# KiCad board A64-OlinuXino_Rev_G.kicad_pcb (continued)
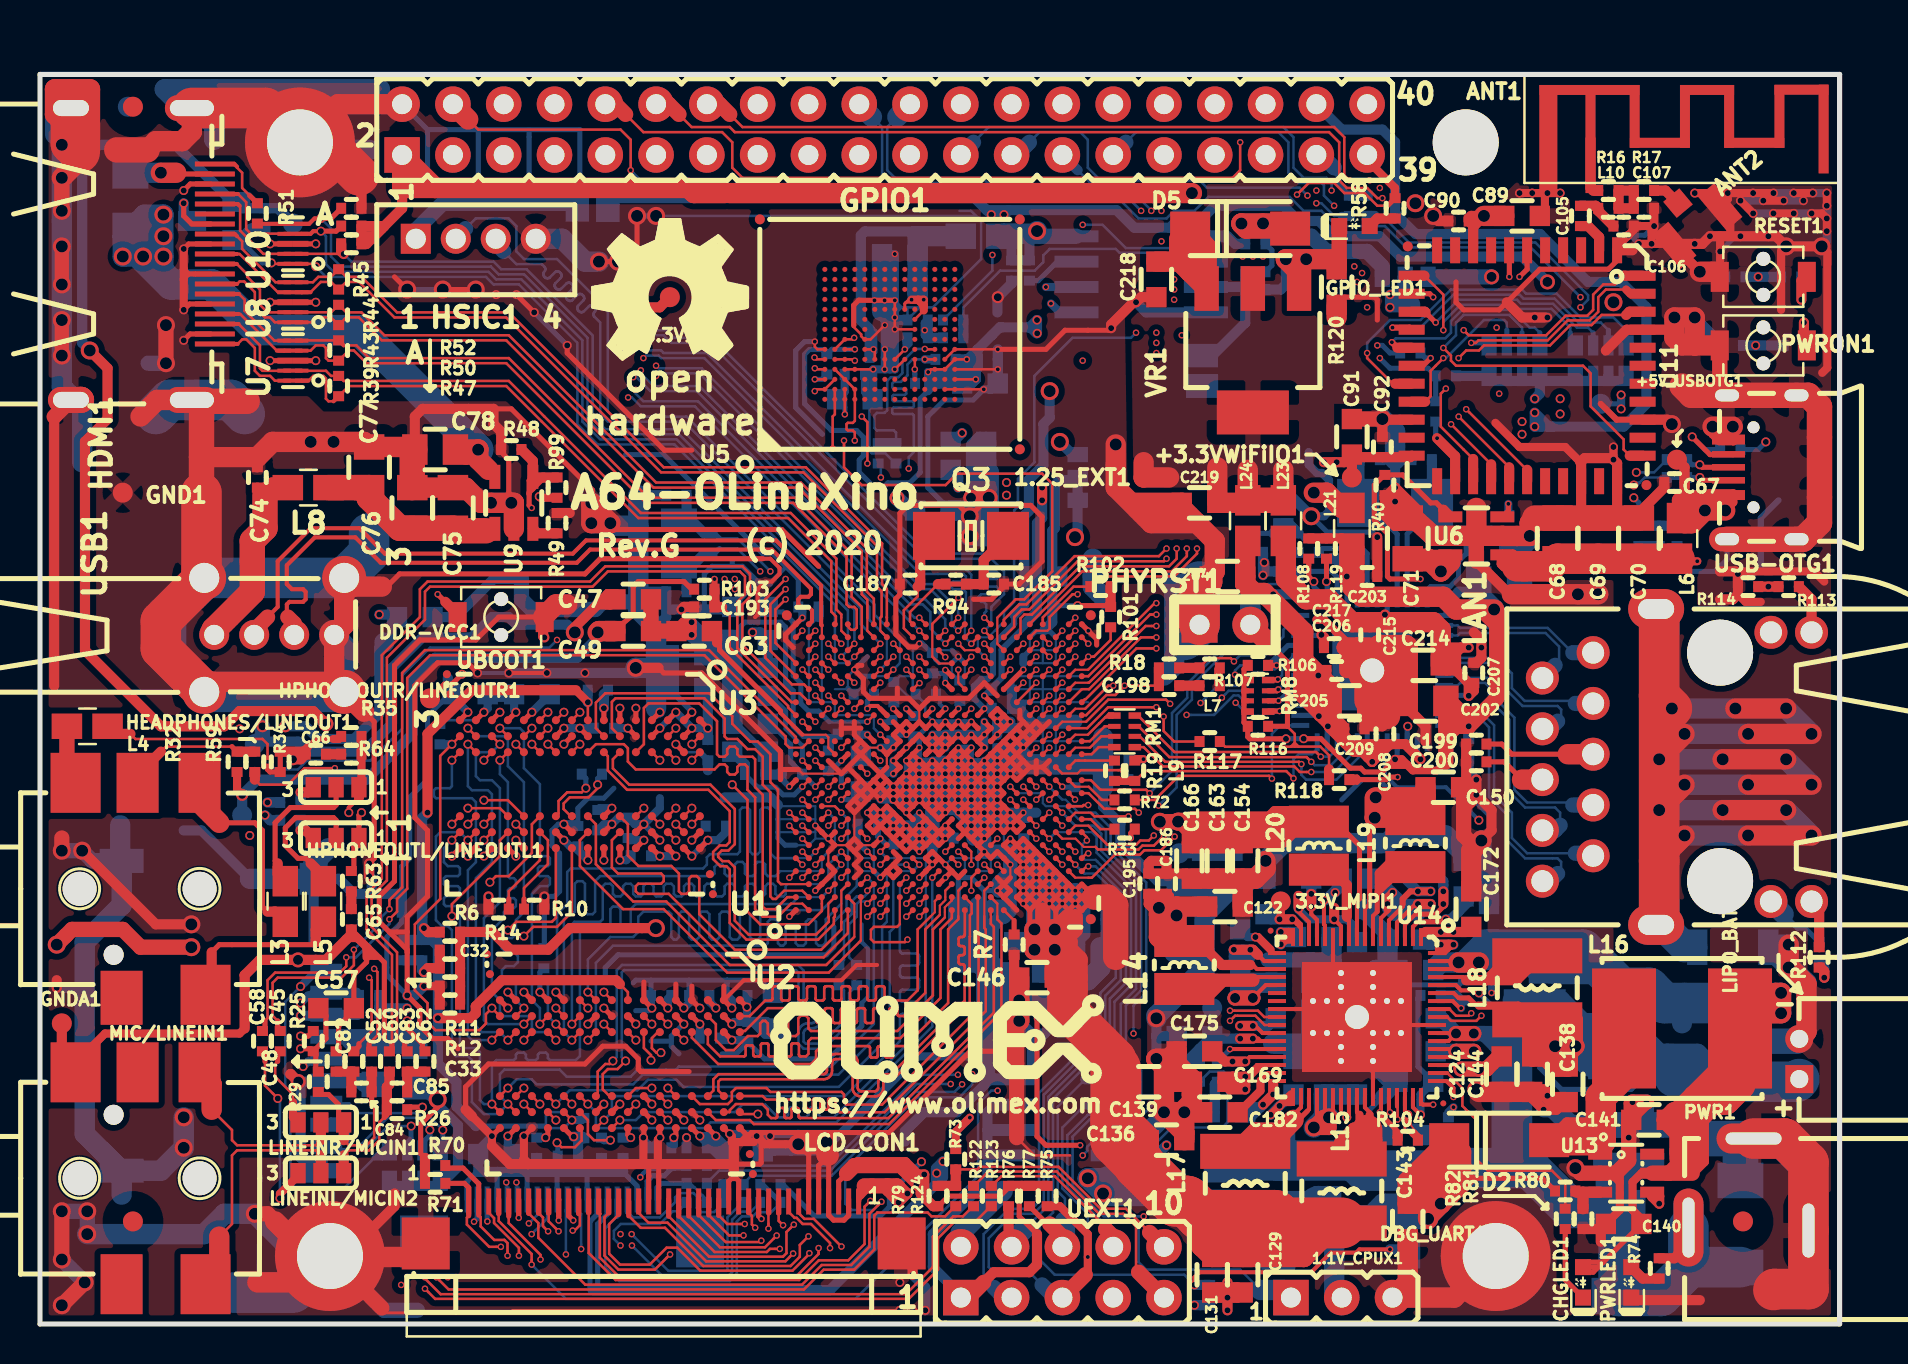
[diagram p0: board, top side]
## Routing (per net, layer and track width the routed paths; a pad name or vN(x,y) marks a point on that pad's centre or on a via; arc(x,y) is an arc through that point) (continued)
  Top w0.305: v4(45.93,28.17) U1.P12 ; U11.36 78.85,45.23 78.05,46.02 ; U1.L12 v4(43.97,28.17) ; U1.K12 v4(43.32,28.17) ; U1.P13 v4(46.57,28.83) ; U1.N13 v4(45.93,28.83) ; U1.N12 v4(45.28,28.17) ; U1.M12 v4(44.62,28.17)
  Top w0.406: 79.01,7.1 78.56,7.54 U13.2 ; 79.01,7.1 79.01,5.7 C140.1 ; 79.01,7.1 79.01,7.73 79.32,8.05 ; v2(84.66,44.88) 84.66,44.17 84.68,44.15 ; 83.99,44.15 83.64,44.5 v2(83.64,44.88) 84.15,44.37 84.46,44.37 84.68,44.15 ; 34.7,9 34.6,9.1 ; 34.6,9.1 34.6,9.4 ; 34.6,9.1 35.1,9.1 ; 87.07,50.72 87.07,53.65 v2(87.32,53.9) ; 89.23,37.13 88.72,37.64 85.04,37.64 v3(84.91,37.52) ; 86.06,36.12 85.29,36.12 84.91,36.5 R114.1 ; 63.83,35.23 64.21,35.23 65.23,34.21 C217.1 ; 89.13,47.57 89.38,47.83 89.38,53.62 v2(89.1,53.9) ; ANT1.2 75.43,56.61 v3(75.39,56.57) ; L7.2 58.93,32 v4(58.93,32.29) 58.93,32.75 R107.2 ; v3(7.19,50.72) v3(7.19,53.77) ; C107.1 80.72,55.04 ; 80.72,55.04 80.59,54.91 C106.1 79.71,54.73 v3(79.43,54.45) 78.87,53.89 U11.1 ; 80.72,55.04 v3(80.72,54.91) 80.72,54.79 80.59,54.66 v3(80.59,54.03) ; v3(75.39,56.57) v3(74.62,56.57) v3(73.99,56.57) ; v3(75.39,56.57) v3(76.02,56.57) ; v3(75.39,56.57) 75.26,56.44 75.26,55.42 ; v3(84.4,56.57) v3(82.75,56.57) ; v3(84.4,56.57) 84.4,56.25 ANT2.2 84.53,55.38 84.53,54.41 ; v3(84.4,56.57) v3(85.67,56.57) v3(86.69,56.57) ; v3(30.18,9.32) 30.18,8.01 30.19,8 30.6,8 ; 35.1,9.1 35.7,9.1 ; 35.1,9.1 35.4,9.4 ; 84.68,44.15 84.12,44.15 ; v2(37.92,8.99) 36.25,8.99 v3(35.84,9.4) ; v3(88.59,55.55) 89.1,55.55 v3(89.36,55.3) v3(89.36,54.66) ; 77.04,43.1 76.28,43.87 73.99,43.87 72.78,45.07 ; v3(86.18,56.19) v3(87.2,56.19) ; v3(87.71,56.57) v3(88.66,56.57) ; 84.08,52.38 84.02,52.43 v3(84.02,53.65) 84.02,54.41 ; 21.6,10.4 v3(22.6,9.4) 22.6,8.9 ; v3(31,9.32) 30.9,9.22 30.9,8 ; v3(85.04,56.19) v3(85.67,55.55) ; v3(86.69,55.55) v3(87.71,55.55) ; v3(79.96,54.03) 81.66,54.03 ANT2.2 ; v3(24.2,9.4) 24.2,8.2 ; v3(78.69,43.23) v3(78.69,43.87) ; R12.1 v3(19.2,16.9) ; v3(89.36,56.57) v3(89.36,55.93)
  Top w0.508: 78.05,4.75 R81.2 ; 78.05,4.75 78.05,4.11 ; 78.05,4.75 C140.1 ; 82.12,48.95 81.33,49.73 U11.41 79.35,49.73 78.31,48.69 ; v2(89.1,53.9) v2(87.32,53.9) 86.82,54.41 v3(86.44,54.41) v3(85.04,54.41) 83.51,54.41 ; C67.2 81.23,41.83 79.96,40.56 C70.1 ; 81.55,44.95 v2(81.61,45.01) 81.39,45.23 U11.36 ; C146.1 48.72,17.58 R7.1 ; 34.7,8 34.7,7.4 ; 34.7,8 34.7,9 ; 34.7,8 30.4,8 ; 30.4,8 24.4,8 ; 30.4,8 30.6,8 ; 24.4,8 24.2,8.2 ; 24.4,8 23.5,8 22.6,8.9 ; v2(7.57,19.99) 5.79,19.99 v2(2.11,23.67) ; C215.1 66.5,32.82 U15.49 66.24,32.31 65.86,32.31 C206.1 ; C186.1 57.35,22.53 C166.1 ; C186.1 56.34,23.17 55.57,23.17 55.45,23.04 C195.1 C186.1 ; 71.32,26.97 71.2,26.97 71.07,26.85 ; 71.32,26.97 71.32,27.1 71.32,26.97 ; 71.32,26.97 71.32,29.01 ; 71.32,26.97 71.58,26.97 v3(71.83,27.23) v3(71.83,26.47) ; v3(25.22,34.34) 25.16,34.4 25.16,35.36 ; 23.95,40.82 23.7,41.07 ; v2(46.5,39.4) 46.5,40.2 ; 71.83,38.15 73.48,36.5 73.61,36.5 ; v3(71.83,26.47) 72.59,25.7 72.59,24.69 v2(72.09,24.18) ; v3(71.83,26.47) 71.83,26.34 71.2,25.7 ; 78.94,40.31 78.94,40.44 78.94,40.38 78.87,40.31 U11.33 78.87,43.05 v3(78.69,43.23) 78.61,43.31 77.24,43.31 77.04,43.1 77.07,43.14 U11.31 77.07,40.31 77.04,40.31 ; 71.7,34.59 72.09,34.21 v3(72.09,33.83) 72.09,33.33 71.83,33.07 C207.1 ; v3(0.84,16.81) 0.84,17.2 ; 75.26,50.34 v3(74.75,50.34) 74.12,50.34 73.35,51.1 ; 59.38,1.83 58.88,1.83 C131.1 58.88,1.32 v3(59.38,1.32) ; 59.38,1.83 59.89,1.83 C129.1 59.89,1.32 v3(59.38,1.32) ; 59.38,1.83 v3(59.38,1.32) ; 84.02,37.64 84.78,37.64 v3(84.91,37.52) R114.1 ; 84.02,36.25 84.66,36.25 84.91,36.5 ; 0.71,45.38 0.71,31.93 ; 17.73,6.53 17.73,5.89 15.24,3.4 Mounting_hole2.0 ; 83.01,1.19 79.71,1.19 PWRLED1.1 ; 48.84,12.88 48.97,13 v2(48.97,15.16) ; v3(43.64,2.46) 43.64,3.58 43.09,4.13 ; R40.1 67.39,41.45 v3(67.77,41.83) ; R40.1 67.26,40.44 67.77,39.93 ; R40.1 67.51,41.45 67.77,41.2 ; C92.1 v2(67.13,45.26) 67.16,45.23 U11.20 ; 67.77,39.93 67.54,40.15 67.54,40.97 67.77,41.2 ; 67.77,39.93 68.02,39.93 C71.2 ; C203.1 v3(66.88,39.36) ; C90.1 69.93,55.17 v2(69.67,55.42) ; R49.1 26.49,40.56 ; C71.2 68.4,40.56 67.77,41.2 ; C71.2 68.28,40.18 ; 67.77,41.2 v3(67.77,41.83) ; C74.2 10.87,43.36 ; R14.2 v3(22.43,21.39) ; C78.2 18.75,45.39 19.13,45.77 22.68,45.77 22.68,45.01 23.06,44.63 R48.1 ; 68.91,40.5 68.91,40.69 v3(67.77,41.83) ; 69.29,29.13 69.29,29.9 68.28,30.91 C202.2 ; R12.1 C33.1 ; U11.1 79.64,53.7 ; C138.2 76.21,11.1 75.83,10.72 v3(75.2,10.72) 74.62,11.29 C144.2 ; v3(16.46,22.4) v3(16.46,23.04) ; C141.1 80.34,10.97 v3(80.34,11.1) ; v3(59.38,2.08) v3(59.38,0.69) ; v3(53.57,49.81) 53.57,49.99 54.69,51.1 v3(54.81,51.1) 55.07,51.36 55.83,51.36 ; 66.37,30.4 66.24,30.28 C209.1 66.37,29.9 67.13,29.9 C208.1 ; 12.52,12.5 12.53,12.5 12.54,12.5 v1(12.92,12.13) ; 21.6,10.4 21.28,10.72 ; R10.2 v3(25.22,21.39) ; v3(83.51,54.41) 83.13,54.03 v3(82.75,54.03) 81.81,54.03 ANT2.2 81.73,53.91 v2(83.01,52.63) ; R52.2 16.08,57.33 15.95,57.45 ; v2(29.79,32.82) 30.94,32.82 ; C193.1 32.21,35.86 v3(32.08,35.74)
  Top w0.711: v2(1.09,48.44) v2(1.09,50.22) ; v2(1.09,51.99) v2(1.09,53.9)
  Top w0.762: 71.96,11.61 v2(71.83,11.73) ; v2(76.78,7.8) 77.04,7.54 U13.2 78.82,7.54 79.45,8.18 v3(79.45,9.32) 79.45,10.08 C141.1 79.58,11.04 v3(79.64,11.1) v3(80.34,11.1) ; 71.83,39.29 71.83,38.15 ; v2(1.09,23.67) 1.09,24.31 ; 65.35,33.71 C217.1 ; 65.35,33.71 65.61,33.71 65.86,33.96 65.86,32.31 ; 65.35,33.71 C217.1 ; 65.35,33.71 C206.1 ; C217.1 65.35,33.96 C215.1 ; 71.07,26.85 71.2,26.72 71.2,24.44 71.77,23.86 ; 48.84,9.32 48.84,12.88 48.34,13.39 ; v2(6.3,49.96) v2(6.3,48.06) ; v2(1.09,5.64) v2(1.09,3.23) ; v2(2.23,2.08) v2(1.09,0.94) ; R120.2 64.97,52.88 GPIO_LED1.1 ; 11.76,5.13 11.38,5.51 v2(10.74,5.51) ; PWRON1.2 84,46.55 ; v2(47.45,41.33) v1(46.56,41.33) ; C138.2 76.28,11.23 75.58,11.23 75.2,11.61 C144.2 ; Mounting_hole2.0 17.09,0.81 ; HDMI1.0 0.71,45.38 ; v2(1.09,55.68) v2(1.09,57.33) ; v2(67.13,45.26) C91.1
  Top w1.016: v2(87.45,18.97) v2(87.45,17.83) 87.52,17.83 88.34,17.01 88.34,14.62 LIPO_BAT1.2 ; 71.83,39.29 71.7,39.42 71.83,39.42 ; 71.83,39.42 U6.2 73.14,39.42 v2(74.5,39.42) 74.5,40.06 74.75,40.31 ; 71.83,39.42 69.67,39.42 68.7,40.31 C71.2 ; 71.83,39.42 71.83,40.82 ; 82.75,48.95 82.75,49.07 82.75,48.95 ; 82.75,48.95 82.12,48.95 81.74,49.33 v2(81.74,50.34) v2(82.75,50.34) 82.75,48.95 ; 82.75,48.95 83.9,48.95 ; v2(23.57,41.07) 23.7,40.95 23.7,41.07 ; 56.46,13.26 v2(55.83,13.26) ; 56.46,13.26 56.46,12.24 56.34,12.12 C169.2 57.61,11.48 ; 56.46,13.26 C175.2 56.46,13.26 ; v2(55.83,13.26) 56.21,12.88 v2(56.21,10.59) ; v2(55.83,13.26) 56.59,13.26 57.61,12.24 57.61,11.48 ; 8.08,43.36 10.87,43.36 11.63,44.12 v2(13.54,44.12) v2(14.68,44.12) 16.2,44.12 C77.1 18.62,43.87 C78.2 ; C154.1 60.78,22.28 61.29,22.78 v2(61.29,23.17) ; C154.1 C122.1 ; C154.1 C163.1 C166.1 ; 66.37,30.4 C205.1 C202.2 ; 23.7,41.07 v2(22.56,41.07) 22.05,41.07 21.28,41.83 C75.1 C76.1 ; 23.7,41.07 U9.2 ; 58.75,39.17 58.75,39.04 ; 58.75,39.17 58.75,37.64 C204.1 ; 58.75,39.17 57.86,40.06 ; v2(72.09,24.18) 71.58,23.67 C172.1 ; 57.61,11.48 57.61,11.1 57.1,10.59 58.12,10.59 ; 26.36,35.99 25.8,35.99 25.16,35.36 ; 11.76,5.13 13.49,3.4 Mounting_hole2.0 ; 10.87,2.08 13.18,2.08 Mounting_hole2.0 ; 14.71,32.12 USB1.0 ; 14.71,32.12 8.71,32.12 USB1.0 ; 14.71,32.12 USB1.0 ; 14.71,32.12 USB1.4 15.21,34.97 USB1.0 15.65,36.88 17.09,36.88 ; USB1.0 16.2,30.62 ; 5.03,45.39 5.86,46.22 HDMI1.0 ; GPIO1.2 14.91,61.01 Mounting_hole3.0 ; 19.29,4.13 18.51,3.35 14.55,3.35 Mounting_hole2.0 ; 54.81,41.07 C219.2 57.1,40.82 57.86,40.06 ; HDMI1.0 7.6,59.64 7.12,59.16 5.79,59.16 5.35,58.73 ; 83.83,52.63 v2(83.01,52.63) ; 57.23,10.47 C136.1 ; 73.61,36.5 v2(76.91,36.5) v2(77.93,36.5) ; VR1.1 62.97,52.6 v2(62.31,53.26) v2(63.32,53.26) 64.72,53.26 64.85,53.14 R120.2 ; v2(1.09,57.33) 2.5,58.74 2.5,61.76 1.55,61.76 ; Mounting_hole1.0 70.72,1.32 DBG_UART1.3 68.4,2.08 C143.1 ; 1.55,61.76 HDMI1.0 ; 1.55,61.76 0.75,61.76 0.75,60.5 1.09,60.16 v2(1.09,58.98) ; v2(37.92,8.99) 39.23,8.99 v2(39.34,9.1) 39.34,8.47 39.37,8.43 39.45,8.43 ; v2(57.23,10.59) v2(56.21,10.59) ; v2(56.21,10.59) 57.23,9.58 57.23,9.32 ; v2(83.64,44.88) v2(84.66,44.88) ; 57.86,40.06 55.57,40.06 53.8,41.83 v2(53.8,43.99) ; 71.96,11.61 C124.2 C144.2 ; C146.1 v2(48.97,16.18) v2(48.97,15.16) 48.34,14.53 48.34,13.39 48.34,13.64 ; 27.57,41.01 v2(28.52,40.06) v2(27.57,40.06) v2(27.57,41.07) 27.57,41.01
  Top w1.27: 82.12,46.91 82.58,46.45 USB-OTG1.0 USB-OTG1.0 88.42,46.45 88.99,45.88 USB-OTG1.0 USB-OTG1.0 88.99,40.07 88.17,39.25 USB-OTG1.0 USB-OTG1.0 ; C76.1 18.62,43.61 C78.2 ; 10.36,46.15 7.91,46.15 7.85,46.22 8.08,45.99 8.08,41.58 ; 2.07,46.22 2.05,46.24 1.75,46.22 ; 68.28,32.94 68.02,32.69 67.39,32.69 ; 68.28,32.94 68.28,33.83 67,33.83 66.62,33.45 U15.49 ; 68.28,32.94 C202.2 ; C205.1 66.37,32.44 U15.49 ; 67.39,32.69 67.39,30.4 ; 67.39,32.69 U15.49 ; C204.1 58.5,37.13 57.99,36.63 ; C70.1 C69.1 C68.1 ; U15.49 66.37,32.94 ; 76.15,40.31 74.75,40.31 ; 5.35,58.73 3.84,58.73
  Top w2.032: 57.99,36.37 57.99,36.63 PHYRST1.1 ; 1.98,58.6 1.55,59.03 HDMI1.0 ; 8.08,41.58 8.08,37.45 USB1.0 6.05,35.15 6.05,33.78 USB1.0 ; HDMI1.0 11.28,60.82 Mounting_hole3.0 14.31,59.1 15.95,57.45 ; PWR1.- 87.24,9.28 88.44,8.08 PWR1.- 88.44,1.75 86.74,1.75 86.69,1.7
  In1.Cu w0.107: 48.85,24.6 49.5,24.6 ; 48.85,24.6 48.85,23.95 ; 48.85,24.6 v4(48.53,24.92) ; 49.5,24.6 53.07,24.6 ; 49.5,24.6 49.5,23.95 ; 49.5,23.95 50.15,23.95 ; 49.5,23.95 49.5,23.3 ; 50.15,23.95 51.45,23.95 ; 50.15,23.95 50.15,29.15 ; 52.1,23.3 50.8,23.3 ; 52.1,23.3 52.1,22.65 ; 52.1,23.3 52.18,23.22 52.67,23.22 52.75,23.3 ; 52.1,23.3 52.1,23.95 ; 50.8,23.3 50.15,23.3 50.15,22.65 ; 50.8,23.3 50.8,29.15 ; 50.8,23.3 50.8,22.65 ; 50.8,22.65 51.12,22.65 ; 50.8,22.65 50.8,22 ; 51.12,22.65 51.45,22.65 ; 51.12,22.65 51.12,22 51.45,22 ; 51.45,22.65 52.1,22.65 ; 51.45,22.65 51.45,23.95 ; 51.45,22 53.07,22 ; 51.45,22 51.45,20.7 ; 48.85,23.95 48.85,22 ; 48.85,23.95 48.2,23.95 ; 48.85,22 48.85,20.7 ; 48.85,22 50.8,22 ; 48.2,23.95 47.55,23.95 ; 48.2,23.95 U1.U7 v4(48.53,24.92) ; 48.2,23.95 U1.U2 ; 47.55,23.95 U1.R6 ; 47.55,23.95 47.55,21.03 ; U1.R6 46.25,23.95 ; U1.R6 46.9,22.65 ; 46.25,23.95 45.6,23.95 ; 46.25,23.95 46.25,21.35 45.93,21.35 ; 45.6,23.95 44.95,23.95 ; 45.6,23.95 45.6,23.3 ; 44.95,23.95 44.3,23.95 ; 44.95,23.95 44.95,20.05 ; 44.95,23.95 44.95,24.6 ; 44.3,23.95 U1.G6 ; 44.3,23.95 44.3,24.6 ; 44.3,23.95 44.3,21.35 ; U1.G6 38.45,23.95 ; U1.G6 41.7,19.72 ; 43.65,22 U1.K8 v4(43.32,25.58) 43,25.25 43,19.72 ; 43.65,22 43.65,19.72 ; 43.65,22 41.05,22 ; 38.45,23.95 37.8,23.95 ; 38.45,23.95 38.45,32.4 ; 38.45,23.95 38.45,21.35 ; 37.8,23.95 36.82,23.95 ; 37.8,23.95 37.8,21.35 ; 39.75,22.65 U1.L4 v4(43.97,22.33) ; 39.75,22.65 37.15,22.65 ; 39.75,22.65 39.75,31.75 ; 37.15,23.3 U1.L5 v4(44.62,22.97) ; 37.8,24.6 U1.P7 v6(46.57,24.92) ; 37.8,24.6 36.82,24.6 ; 37.8,24.6 37.8,27.53 ; 41.7,25.25 U1.M8 v4(45.28,25.58) ; 41.7,25.25 41.05,25.25 ; 41.7,25.25 41.7,27.85 ; 41.05,25.25 36.82,25.25 ; 41.05,25.25 41.05,25.9 ; 42.35,27.85 43,27.85 v4(43.32,27.53) ; 42.35,27.85 41.7,27.85 ; 42.35,27.85 U1.H13 ; U1.H13 37.47,28.5 ; U1.H13 v4(42.68,28.83) ; 37.15,29.15 U1.J14 v4(43.32,29.47) ; U1.J15 42.35,29.8 ; U1.J15 v4(43.32,29.47) ; U1.J15 43,31.42 ; 42.35,29.8 40.4,29.8 ; 42.35,29.8 42.35,33.7 ; 45.6,29.15 43.65,29.15 v4(43.32,29.47) ; 45.6,29.15 46.25,29.15 ; 45.6,29.15 45.6,30.12 ; U1.R15 48.2,29.8 ; U1.R15 46.9,29.15 ; U1.R15 v4(46.57,30.12) 46.9,30.45 ; 48.2,29.8 51.78,29.8 ; 48.2,29.8 48.2,30.45 ; 41.05,31.1 41.05,31.75 ; 41.05,31.1 41.05,30.45 ; 41.05,31.1 40.4,31.1 ; 41.05,31.75 41.05,33.7 ; 41.05,31.75 40.4,31.75 ; 41.05,33.7 41.05,35.65 ; 41.05,33.7 37.15,33.7 ; 45.6,30.12 45.6,32.4 ; 45.6,30.12 v4(45.28,30.12) ; 45.6,32.4 45.59,32.39 44.96,32.39 44.95,32.4 ; 45.6,32.4 45.6,34.51 45.59,34.52 45.59,35.97 45.6,35.97 ; 46.25,30.12 46.25,35.97 ; 46.25,30.12 46.25,29.15 ; 46.25,30.12 v4(45.93,30.12) ; 46.9,30.45 46.9,31.1 ; 46.9,30.45 47.55,30.45 ; 46.9,31.1 46.9,32.4 ; 46.9,31.1 47.55,31.1 ; 44.95,31.42 44.95,28.5 v4(45.28,28.17) ; 48.85,31.1 U1.V14 v4(49.18,28.83) ; 48.85,31.1 48.85,31.75 ; 48.85,31.1 51.78,31.1 ; 49.5,29.15 50.15,29.15 ; 49.5,29.15 47.55,29.15 ; 49.5,29.15 49.5,30.45 ; 50.15,29.15 50.8,29.15 ; 50.15,29.15 50.15,35 ; 50.8,29.15 51.45,29.15 ; 50.8,29.15 50.8,34.35 ; 48.85,31.75 48.85,34.35 ; 48.85,31.75 51.78,31.75 ; 48.85,34.35 48.85,35.97 ; 48.85,34.35 45.43,34.35 45.43,34.35 44.95,34.35 44.95,34.35 ; 46.9,32.4 46.9,35.97 ; 46.9,32.4 52.1,32.4 ; 41.05,27.2 41.05,30.45 ; 41.05,27.2 41.05,26.55 ; 41.05,27.2 36.82,27.2 ; 41.05,30.45 41.7,30.45 ; 41.05,30.45 40.4,30.45 ; 41.05,26.55 41.05,25.9 ; 41.05,26.55 36.82,26.55 ; 41.05,25.9 39.1,25.9 ; 40.4,31.75 39.75,31.75 ; 40.4,31.75 40.4,35.65 ; 39.75,31.75 39.1,31.75 ; 39.75,31.75 39.75,33.05 ; 39.1,31.75 37.47,31.75 ; 39.1,31.75 39.1,32.4 ; 39.1,31.75 39.1,25.9 ; 53.07,25.25 U1.V8 v4(48.53,24.92) ; 41.7,27.85 37.15,27.85 ; 41.7,27.85 41.7,30.45 ; 43,31.42 43,35 ; 43,31.42 43,31.75 43.65,32.4 ; 46.25,29.15 46.9,29.15 ; 46.9,29.15 47.55,29.15 ; 47.55,29.15 47.55,30.45 ; 47.55,30.45 48.2,30.45 ; 48.2,30.45 49.5,30.45 ; 38.45,34.35 38.45,35 v4(38.12,35.33) ; 38.45,34.35 38.45,33.05 ; 38.45,34.35 39.1,34.35 ; 39.1,25.9 37.15,25.9 ; 41.7,30.45 41.7,32.4 ; 41.7,32.4 41.7,33.7 ; 41.7,32.4 43.65,32.4 ; 44.3,21.35 44.3,20.7 ; 44.3,21.35 41.05,21.35 ; 44.3,20.7 44.3,19.72 ; 44.3,20.7 41.05,20.7 ; 39.75,33.05 39.75,34.67 ; 39.75,33.05 38.45,33.05 ; 38.45,32.4 39.1,32.4 ; 38.45,32.4 38.45,32.4 38.45,33.05 38.45,33.05 ; 39.1,32.4 39.1,34.35 ; 39.1,34.35 39.1,35 ; 41.7,33.7 41.7,35.65 ; 41.7,33.7 42.35,33.7 ; 49.5,30.45 49.5,33.87 49.5,33.87 49.5,34.67 49.5,34.67 ; 52.75,33.05 52.1,33.05 52.1,34.35 ; 50.8,34.35 50.8,35.65 ; 50.8,34.35 52.1,34.35 ; 52.1,34.35 U1.AC23 51.45,35 51.45,33.05 45.44,33.05 45.43,33.03 45.12,33.03 45.1,33.05 41.05,33.05 v4(40.72,32.72) ; 51.45,23.95 52.1,23.95 ; 48.85,27.2 48.85,25.58 ; 48.85,27.2 49.5,27.2 49.5,25.9 ; 48.85,27.2 v4(48.53,27.53) ; 49.5,25.9 v4(49.18,25.58) ; 49.5,25.9 51.93,25.9 52.1,26.07 52.1,26.55 ; 52.1,26.55 53.07,26.55 ; 52.1,26.55 52.09,26.56 51.6,26.56 51.6,26.55 48.2,26.55 v6(47.88,26.22) ; 45.6,23.3 45.6,21.03 ; 45.6,23.3 49.5,23.3 ; 49.5,23.3 49.5,20.7 ; 52.1,23.95 52.19,23.86 52.66,23.86 52.75,23.95 ; 52.1,22.65 52.18,22.57 52.67,22.57 52.75,22.65 ; 46.9,22.65 46.9,21.35 ; 46.9,22.65 50.15,22.65 ; 50.15,22.65 50.15,20.7 ; 50.8,22 50.8,20.7 ; U1.U2 48.2,20.7 ; U1.U2 52.1,21.35 ; 40.4,31.1 37.47,31.1 ; 40.4,31.1 40.4,30.45 ; 40.4,30.45 37.47,30.45 ; 43.65,32.4 43.65,34.51 43.64,34.52 43.64,34.99 43.65,35 ; 43.65,35.65 43.64,35.64 43.64,35.01 43.65,35 ; 43.65,35 47.55,35 ; v4(47.88,28.17) U1.T13 ; 42.35,33.7 52.75,33.7 ; 42.35,33.7 42.35,35.65
  In1.Cu w0.127: 25.4,15.4 25.4,16.2 v3(25.8,16.6) U2.M1 28.6,16.2 ; 25.4,15.4 25.4,11.4 ; 25.4,15.4 26.2,15.4 ; 25.4,15.4 24.6,15.4 ; 25.4,11.4 25.4,10.6 ; 25.4,11.4 22.9,11.4 ; 24.6,15.4 23.8,15.4 ; 24.6,15.4 U2.P9 ; 23.8,15.4 23.2,15.4 ; 23.8,15.4 23.8,14.6 ; 26.2,15.4 27,15.4 ; 26.2,15.4 U2.M9 ; 27,15.4 27.8,15.4 ; 27,15.4 27,9.8 ; U2.M9 27,9.8 ; U2.M9 26.2,9.8 24.6,9.8 U2.P9 ; 27,9.8 27.8,9.8 ; 27.8,15.4 30.2,15.4 ; 27.8,15.4 27.8,17.5 ; 27.8,15.4 27.8,9.8 ; 27.8,9.8 28.6,9.8 ; 30.2,15.4 31,15.4 ; 30.2,15.4 30.2,14.6 ; 28.6,9.8 29.43,9.8 29.52,9.89 29.9,9.89 29.98,9.8 32.6,9.8 33.4,9.8 U2.B9 ; 28.6,9.8 U2.J8 v3(29,11) 29.4,11.4 30.2,11.4 ; v3(32.2,10.2) U2.E8 31,10.6 ; 31,10.6 U2.G8 ; 31,10.6 31,12.2 ; 30.2,11.4 31.8,11.4 ; 30.2,11.4 U2.G8 ; 23.8,14.6 23.8,9.9 ; 23.8,14.6 30.2,14.6 ; v3(34.6,14.2) U2.B3 30.2,14.6 ; 31,15.4 U2.E2 ; 31,15.4 31,14.5 ; 25.4,10.6 25.4,9.83 ; 25.4,10.6 U2.G8 ; 23,14.9 U2.T9 v3(22.6,9.4) ; U3.T9 21,25.4 ; U3.T9 v3(20.6,23.4) ; U3.T9 21.8,23.8 ; 21,25.4 33,25.4 33,24.6 ; 21,25.4 21,28.6 ; v3(29.4,29.8) 29,29.4 21,29.4 21,28.6 ; 33,24.6 20.2,24.6 ; 33,24.6 v3(33.4,24.2) U3.A9 U3.B9 ; 21,28.6 22.6,28.6 ; 21,28.6 20.3,28.6 ; 33,29.4 33,28.6 26.6,28.6 ; 33,29.4 33,30.2 31.4,30.2 ; 33,29.4 32.2,29.4 ; U3.B9 21.8,23.8 ; U3.B9 32.2,29.4 ; v3(32.6,30.6) U3.B1 32.2,29.4 ; 31.4,30.2 25,30.2 ; 31.4,30.2 31.4,22.8 ; 26.6,28.6 25.8,28.6 ; 26.6,28.6 26.6,31.1 ; 25.8,28.6 25,28.6 ; 25.8,28.6 25.8,31.1 ; 25,28.6 24.2,28.6 ; 25,28.6 25,30.2 ; 24.2,28.6 23.4,28.6 ; 24.2,28.6 U3.M1 v3(24.6,30.6) 25,30.2 ; 23.4,28.6 22.6,28.6 ; 23.4,28.6 23.4,30.2 v3(23,30.6) ; 22.6,28.6 22.6,27.7 ; 21.8,23.8 21.8,26.7 ; v3(24.2,9.4) U2.P9
  In1.Cu w0.406: v3(30.18,9.32) 30.18,9.77 30.21,9.8 ; 30.97,9.8 31,9.77 v3(31,9.32) ; v3(32.33,9.32) 32.33,9.64 32.2,9.77 v3(32.2,10.2)
  In1.Cu w0.508: v3(7.19,49.2) 6.9,48.91 6.9,48.8
  In1.Cu w0.762: v2(6.3,49.96) 6.9,49.36 6.9,48.82 ; 8.97,1.58 8.97,3.73 v2(10.74,5.51) ; 14.5,3.35 17.17,0.69 20.9,0.69
  In1.Cu w1.016: 6.9,48.91 6.9,47.7 ; 7.45,46.22 6.9,46.22 6.9,47.7 ; 6.9,47.7 6.9,47 6.12,46.22 4.27,46.22 ; 1.35,46.22 1.05,46.22 4.27,46.22 ; 3,60.6 2.78,60.82 1.05,60.82 1.35,60.82 ; 3,60.6 3,49.96 4.27,48.7 4.27,46.22 ; 3,60.6 6.68,60.6 6.9,60.82 7.45,60.82 ; 9.22,45.26 8.27,46.22 7.85,46.22 8.58,46.96 8.58,47.68 ; 1.22,43.61 1.22,45.69 1.75,46.22 1.47,46.49 1.47,47.68 ; 7.95,58.47 7.95,60.72 7.85,60.82 ; 1.35,58.6 1.35,60.42 1.75,60.82
  In1.Cu w1.27: 17.47,33.45 16.46,34.47 USB1.4
  In1.Cu w2.032: 82.63,12.5 82.63,10.59 83.94,9.28 87.37,9.28 ; 67.51,19.23 67.51,17.01 U14.69 ; 64.08,18.85 64.08,17.13 U14.69 ; 63.32,16.18 65.04,16.18 U14.69 ; 62.94,14.53 65.04,14.53 U14.69 ; 62.69,12.88 63.39,12.88 U14.69 ; 64.97,12.24 64.97,14.47 U14.69 ; 66.62,12.5 66.62,14.59 U14.69 ; 68.91,12.75 68.47,12.75 U14.69 ; 69.04,14.66 66.56,14.66 U14.69 ; 69.42,16.31 66.81,16.31 U14.69 ; 8.97,1.58 12.67,1.58 Mounting_hole2.0 14.5,3.35 ; 12.9,59 14.91,61.01 GPIO1.2 ; 12.9,59 12.98,58.93 ; 12.9,59 11.09,60.82 HDMI1.0 ; 12.9,59 12.52,58.62 12.52,55.42 ; 14.5,3.35 14.5,7.72 ; 14.5,3.35 16.46,3.35 17.73,4.62 19.51,4.62 ; 18.11,30.66 16.17,30.66 USB1.0 USB1.0 ; 17.73,37.52 17.6,37.52 17.4,37.32 USB1.0 USB1.0 ; 15.57,55.68 15.57,56.34 12.98,58.93 ; 12.98,58.93 11.84,58.93 9.6,56.69 ; U14.69 65.86,19.23 ; 57.99,33.45 PHYRST1.1 57.99,36.88
  In1.Cu w2.54: 12.9,59 Mounting_hole3.0
  In2.Cu w0.107: 43.65,23.3 43.65,22.65 43,22.65 ; 43.65,23.3 43.65,23.95 43.65,24.6 ; 43.65,23.3 47.55,23.3 ; U1.K8 v4(43.32,25.58) 43,25.58 43,23.95 45.6,23.95 ; U1.K8 43.65,24.6 ; U1.K8 45.6,25.25 ; v6(44.62,26.22) U1.L9 U1.L5 v4(44.62,22.97) ; v4(45.28,25.58) U1.M8 44.95,23.3 v4(45.28,22.97) 45.6,23.3 45.6,23.95 ; 45.6,23.95 45.6,24.6 ; 45.6,25.25 v4(45.93,25.58) ; 45.6,25.25 45.6,24.6 ; 46.25,22 U1.P7 v6(46.57,24.92) ; 46.9,22.65 U1.R5 v4(47.22,23.62) 47.55,23.3 ; 46.9,22.65 46.9,22 ; 46.9,22.65 47.55,22.65 ; 47.55,23.3 47.55,22.65 ; 47.55,22.65 47.55,22 ; 51.45,34.35 52.1,34.35 v4(52.43,34.67) ; 51.45,34.35 47.88,34.35 ; 51.45,34.35 51.45,35 U1.AC23 ; 43.65,24.6 45.6,24.6 ; U1.D7 40.4,24.6 ; U1.D7 v4(39.43,24.28) 39.75,23.95 ; U1.D7 39.75,25.25 ; 40.4,24.6 40.4,25.25 ; 40.4,24.6 40.4,23.95 ; 39.75,23.3 40.4,23.3 40.4,23.95 ; 39.75,23.3 39.75,23.95 ; 39.75,23.3 39.75,22.65 40.4,22.65 ; 40.4,23.95 39.75,23.95 ; 39.75,25.9 38.78,25.9 38.78,25.25 ; 39.75,25.9 39.75,25.25 ; 39.75,25.9 40.4,25.9 40.4,25.25 ; 39.75,25.9 39.75,26.55 ; 38.78,25.25 v4(38.78,24.92) ; 38.78,25.25 39.75,25.25 ; 40.4,25.25 39.75,25.25 ; U1.R15 46.9,29.15 v4(46.57,28.83) ; U1.R15 46.9,30.45 ; U1.R15 46.25,29.8 ; U1.R15 47.55,29.8 ; 46.9,31.1 48.85,31.1 48.85,34.67 ; 46.9,31.1 46.9,30.45 ; 46.9,31.1 46.9,31.75 47.55,31.75 ; 46.9,30.45 47.55,30.45 ; 44.95,28.5 U1.M15 U1.N15 ; U1.N15 46.25,29.8 ; U1.N15 U1.N13 ; 46.25,29.8 46.25,28.83 ; 41.7,25.25 41.7,26.22 v4(42.03,26.22) ; 43.65,22 42.35,22 v4(42.03,22.33) ; 47.55,29.15 44.3,29.15 v4(43.97,28.83) ; 47.55,29.15 48.2,29.15 ; 47.55,29.15 47.55,29.8 ; 47.55,29.8 48.2,29.8 ; 47.55,29.8 47.55,30.45 ; 48.2,29.8 48.85,29.8 ; 48.2,29.8 48.2,30.45 ; 47.88,34.35 48.2,34.35 47.88,34.35 ; 50.8,35 50.8,33.7 50.15,33.7 ; 50.15,33.7 47.88,33.7 ; 50.15,33.7 50.15,35 ; 47.55,30.45 48.2,30.45 ; 48.2,30.45 49.18,30.45 ; 39.75,26.55 39.75,27.2 ; 39.75,26.55 40.4,26.55 ; 42.35,27.85 43,27.85 v4(43.32,28.17) ; 48.85,25.9 48.85,26.55 ; 48.85,26.55 48.85,27.2 ; 48.85,26.55 48.2,26.55 ; 49.5,35 49.5,35 49.5,33.87 48.68,33.05 47.88,33.05
  In2.Cu w0.127: v4(48.53,25.58) 48.85,25.9
  In2.Cu w0.203: 33.35,33.71 33.25,33.81 32.59,33.81 32.08,34.32 v3(32.08,35.74) ; 29.29,34.98 28.91,34.98 28.52,35.36 26.24,35.36 v3(25.22,34.34) ; 36.65,37.21 37.03,37.59
  In2.Cu w0.254: v4(43.97,22.33) 43.65,22.65 ; v4(43.97,22.33) v4(44.62,22.97) ; v4(43.97,22.33) 43.65,22 ; v4(43.97,22.33) 44.62,21.67 ; 39.55,21.11 40.54,22.1 40.54,23.16 40.4,23.3 ; 37.54,27.86 37.41,27.99 37.41,28.75 36.4,29.77 35.25,29.77 34.42,30.6 v3(32.6,30.6) ; 37.03,37.59 37.03,38.15 35.89,38.15 ; 20.02,27.36 20.02,29.22 v3(21.4,30.6) ; v3(22.81,51.49) 22.56,51.74 v2(21.79,51.74) ; 36.65,37.21 36.65,35.99 37.32,35.33 v4(38.12,35.33) 38.12,36.2 39.6,37.67 39.6,41.65 ; v2(1.09,23.67) 1.09,24.18 0.59,24.69 0.59,43.36 1.05,43.82 1.05,46.22 ; v3(32.08,35.74) 31.44,36.37 23.95,36.37 23.44,36.88 22.68,36.88 20.65,34.85 20.27,34.85 17.98,32.56 17.98,29.52 15.82,27.36 15.19,27.36 13.92,26.09 13.92,18.21 15.44,16.69 15.95,16.69 ; v1(12.92,12.13) 11.76,13.28 11.76,16.43 11.12,17.07
  In2.Cu w0.508: 17.98,47.04 15.06,44.12 v2(14.68,44.12) ; 9.09,30.74 9.09,24.94 11.12,22.91 11.12,17.07 ; v3(44.27,0.69) 43.76,0.69 ; UEXT1.2 45.03,3.86 v3(43.64,2.46) 43.26,2.08 v3(43,2.08)
  In2.Cu w0.711: 47.88,35.97 47.88,31.1 ; v4(47.22,23.62) 48.53,23.62 v4(48.53,22.97) 48.53,20.7
  In2.Cu w1.016: USB1.0 7.19,36.29 7.19,32.64 USB1.0 9.09,30.74 ; 13.03,31.04 13.61,31.62 USB1.0 ; USB1.0 15.21,34.97 USB1.4 ; 19.63,40.31 20.02,40.69 22.17,40.69 v2(22.56,41.07) v2(23.57,41.07) ; v2(46.5,39.4) 48.26,37.64 55.39,37.64 57.99,35.05 PHYRST1.1 57.99,35.23 59.38,36.63
  In2.Cu w1.524: 84.04,9.28 87.62,9.28 88.85,8.05 88.75,7.95 ; 84.54,9.28 83.43,9.28
  In2.Cu w2.032: 9.73,47.17 8.78,46.22 1.75,46.22 ; 2.11,57.58 1.75,57.94 1.75,60.82 7.85,60.82 ; 19.63,40.31 16.64,37.32 USB1.0 USB1.0 ; GPIO1.2 15.44,61.01 13.03,58.6 13.16,58.73 11.06,60.82 HDMI1.0 ; U14.69 65.86,11.99 ; U14.69 68.21,15.35 67.89,15.04 ; U14.69 66.05,15.35 ; U14.69 64.21,15.35 ; U14.69 65.86,17.79 65.85,17.8 ; 64.21,15.35 63.96,15.1 ; 64.21,15.35 63.13,15.35 ; 63.96,15.1 63.96,17.21 64.19,17.44 ; 63.96,15.1 63.96,12.75 ; 67.89,15.04 67.89,12.62 ; 67.89,15.04 67.89,17.65 67.63,17.92
  In3.Cu w0.107: 49.5,23.95 49.5,20.7 ; 49.5,23.95 50.15,23.3 ; 49.5,23.95 48.85,24.6 ; 49.5,20.7 50.15,20.7 ; 49.5,20.7 48.85,20.7 ; 50.15,20.7 50.15,23.3 ; 50.15,20.7 50.8,20.7 ; 50.15,23.3 50.47,22.97 ; 50.15,23.3 48.85,23.3 ; 48.85,22.97 48.85,23.3 ; 48.85,22.97 48.85,22.65 ; 48.85,22.97 v4(48.53,22.97) ; 48.85,23.3 48.85,24.6 ; 48.85,23.3 U1.U5 ; 48.85,24.6 v4(48.53,24.92) U1.U7 U1.U5 ; 48.85,20.7 48.85,21.35 ; 48.85,20.7 48.2,20.7 48.2,22 ; 50.8,22.65 50.8,20.7 ; 50.8,22.65 50.47,22.97 ; 50.8,22.65 48.85,22.65 ; 50.8,22.65 51.45,22 ; 50.8,20.7 51.45,20.7 ; 51.45,22 51.45,21.35 ; 51.45,22 48.85,22 ; 51.45,21.35 51.45,20.7 ; 51.45,21.35 52.1,21.35 52.1,20.7 51.45,20.7 ; 51.45,21.35 48.85,21.35 ; 48.85,22 48.85,21.35 ; 48.85,22 48.85,22.65 ; 48.85,22 48.2,22 ; 48.85,22.65 48.2,22.65 ; U1.U5 48.2,22.65 ; 48.2,22 48.2,22.65 ; 41.7,29.15 41.7,31.1 ; 41.7,29.15 41.05,28.5 38.45,28.5 ; 41.7,29.15 v4(42.03,28.83) ; U1.J15 43.32,29.8 v4(43.32,29.47) ; U1.J15 40.4,29.8 ; U1.J15 43,30.45 ; 51.78,29.15 43.97,29.15 v4(43.97,28.83) ; 45.6,30.12 U1.N13 ; 45.6,30.12 45.6,31.42 ; 45.6,30.12 v4(45.28,30.12) ; 46.25,30.12 U1.P13 ; 46.25,30.12 46.25,31.1 ; 46.25,30.12 v4(45.93,30.12) ; 46.9,30.12 U1.R15 ; 46.9,30.12 v4(46.57,30.12) ; 46.9,30.12 46.9,30.45 ; U1.R15 46.9,28.5 ; U1.R15 47.55,29.8 ; 47.55,29.8 48.2,29.8 48.2,30.45 ; 47.55,29.8 47.55,30.45 ; 47.55,29.8 U1.T13 ; 46.9,30.45 46.9,31.1 ; 46.9,30.45 47.55,30.45 ; 46.9,31.1 46.9,31.75 ; 46.9,31.1 48.85,31.1 ; 49.5,31.1 50.15,31.1 ; 49.5,31.1 48.85,31.1 ; 49.5,31.1 49.5,32.4 48.85,32.4 ; 50.15,31.1 50.8,31.1 ; 50.15,31.1 50.15,28.5 ; 48.85,32.4 48.85,31.1 ; 48.85,32.4 48.2,32.4 ; U1.K8 44.3,25.25 ; U1.K8 43.65,24.6 ; U1.K8 v4(43.32,25.58) ; 44.3,25.25 U1.P8 ; 44.3,25.25 44.3,23.95 ; 43.65,24.6 44.95,24.6 ; 43.65,24.6 43.65,23.95 44.3,23.95 ; 43.65,24.6 43,24.6 43,25.25 41.7,25.25 41.7,25.9 ; 44.95,24.6 46.57,24.6 ; 44.95,24.6 44.95,23.95 ; 44.3,23.95 44.95,23.95 ; 44.95,23.95 47.55,23.95 ; 38.45,28.5 36.5,28.5 ; 38.45,28.5 38.45,27.53 ; 39.75,26.55 40.72,26.55 41.05,26.88 ; 39.75,26.55 39.1,26.55 ; 39.75,26.55 39.75,27.53 ; 39.75,26.55 39.75,25.9 40.4,25.9 ; 43,30.45 43,31.1 ; 43,30.45 41.05,30.45 41.05,31.1 ; 42.35,27.85 43,27.85 v4(43.32,27.53) ; 42.35,27.85 41.7,27.85 ; 42.35,27.85 U1.H13 ; 38.45,27.53 38.45,27.85 38.45,27.53 ; 38.45,27.53 38.45,27.2 38.45,27.53 ; 38.45,27.53 38.45,26.55 ; 37.8,26.55 36.5,26.55 ; 37.8,26.55 38.45,26.55 ; 37.8,26.55 37.8,27.53 ; 38.45,26.55 39.1,26.55 ; 39.1,26.55 39.1,27.53 ; 39.1,27.53 39.1,27.2 39.1,27.53 ; 39.75,27.53 39.75,27.2 39.75,27.53 ; 47.55,30.45 48.2,30.45 ; 48.2,30.45 48.85,30.45 ; 48.85,27.2 48.85,26.55 48.2,26.55 v6(47.88,26.22) ; 50.8,31.1 52.43,31.1 ; 50.8,31.1 50.8,28.5 ; 50.47,22.97 50.8,23.3 ; 50.8,23.3 50.8,23.95 50.15,23.95 ; 50.8,23.3 52.1,23.3 ; 51.45,22.65 51.45,23.95 51.12,24.28 ; 36.5,30.45 38.45,30.45 38.45,29.47 ; 38.45,29.47 38.45,29.8 38.45,29.47 ; v4(44.62,30.12) 44.95,30.12 ; 44.95,30.12 44.95,28.5 ; 44.95,30.12 44.95,31.4 44.97,31.42 ; 52.1,23.3 52.18,23.22 52.67,23.22 52.75,23.3 ; 52.1,23.3 52.1,22.65